# KiCad board video.kicad_pcb (continued)
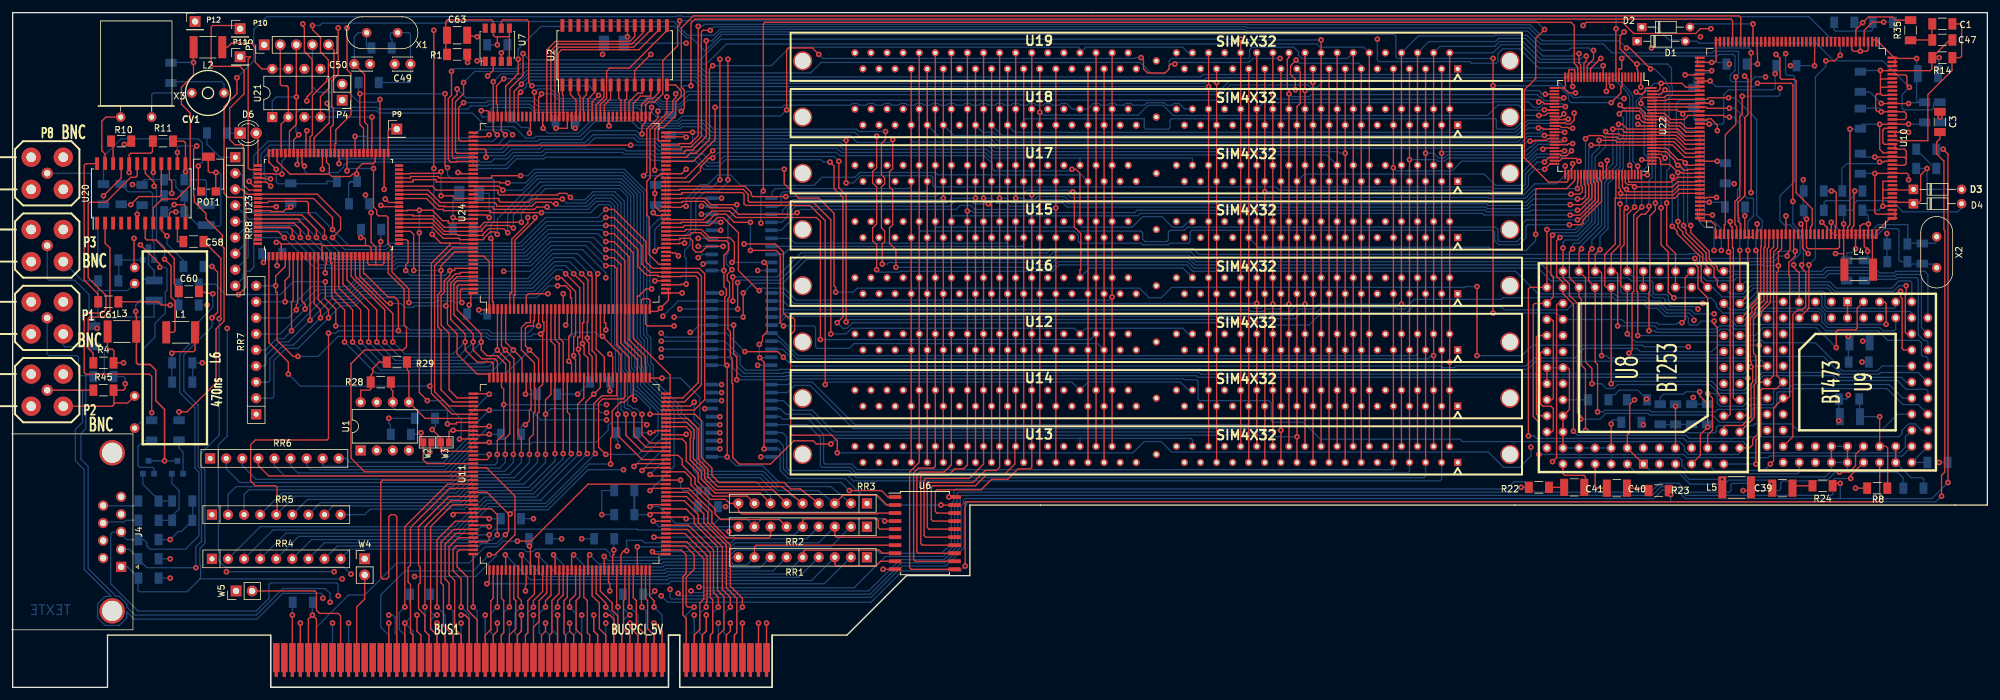
[diagram p0: board, top side]
## Routing (per net, layer and track width the routed paths; a pad name or vN(x,y) marks a point on that pad's centre or on a via; arc(x,y) is an arc through that point) (continued)
/TVG1: length 92.5
  top_copper w0.2: v1(254,76.45) 254,69.98 252.6,68.58 U8.47 253.24,65.79 253.62,65.4 v1(253.62,57.15) ; 266.14,78.74 263.27,78.74 262.38,77.85 254.34,77.85 v1(254.08,78.1) 254.08,78.73 253.85,78.97 253.85,81.03
  bottom_copper w0.2: v1(254,76.45) 254,78.02 v1(254.08,78.1) ; v1(253.62,57.15) 259.46,57.15 259.97,56.64 269.24,56.64 269.75,57.15 271.65,57.15 272.16,56.64 273.81,56.64 274.57,57.4 285.5,57.4 286.51,56.39 294.77,56.39 296.29,54.86 301.24,54.86 301.62,54.48 301.62,52.58 301.88,52.32 302.39,52.32 302.64,52.07 U9.54
/TVG2: length 86.7
  top_copper w0.2: v1(255.14,55.88) U8.46 254.38,63.25 254.13,63.5 254.13,69.47 254.63,69.98 254.63,75.44 v1(255.02,75.82) ; 254.33,81.03 254.33,80.26 254.38,80.26 254.38,79.12 254.76,78.74 v1(255.02,78.74) 255.4,78.36 262.25,78.36 263.27,79.38 266.19,79.38
  bottom_copper w0.2: U9.55 295.4,50.8 294.64,50.04 289.05,50.04 288.42,50.67 288.42,50.93 284.86,54.48 276.73,54.48 276.35,54.86 274.07,54.86 273.81,54.61 256.41,54.61 v1(255.14,55.88) ; v1(255.02,78.74) v1(255.02,75.82)
/TVG3: length 86.7
  top_copper w0.2: U8.45 255.14,74.8 v1(256.29,75.95) ; 266.24,79.93 263.07,79.93 262.27,79.14 v1(256.29,79.14) 255.94,79.48 255.18,79.48 254.84,79.83 254.84,81.03
  bottom_copper w0.2: U8.45 256.16,64.77 267.21,64.77 267.72,64.26 271.91,64.26 272.42,64.77 286.38,64.77 287.02,65.4 293.88,65.4 294.77,64.52 297.56,64.52 297.81,64.77 300.86,64.77 301.12,64.52 301.12,55.75 302.01,54.86 302.39,54.86 302.64,54.61 U9.56 ; v1(256.29,75.95) v1(256.29,79.14)
/TVG4: length 76
  top_copper w0.2: v1(262.25,72.9) 263.02,72.14 263.02,71.75 266.57,68.2 266.57,66.93 266.83,66.67 266.83,64.26 U8.36 ; 266.32,80.64 263.02,80.64 262.51,80.14 262.25,80.14 ; v1(262.25,80.77) 262.25,80.14 ; 262.25,80.14 262,79.88 255.35,79.88 255.35,81.03 ; U9.57 298.83,53.34 298.58,53.59 298.58,61.47 298.32,61.72 v1(298.32,62.61)
  bottom_copper w0.2: v1(298.32,62.61) 297.94,62.61 297.43,62.1 287.78,62.1 286.77,63.12 275.08,63.12 273.69,61.72 270.13,61.72 268.61,63.25 U8.36 ; v1(262.25,72.9) v1(262.25,80.77)
/TVG5: length 71.5
  top_copper w0.2: U8.35 267.84,66.42 267.08,67.18 267.08,68.45 263.91,71.63 263.91,72.01 263.14,72.77 v1(263.14,73.66) ; 266.19,81.28 263.91,81.28 263.78,81.41 v1(263.14,81.41) 261.87,82.68 260.48,82.68 260.37,82.79 260.37,83.55 260.14,83.77 U22.78
  bottom_copper w0.2: v1(263.14,73.66) v1(263.14,81.41) ; U9.58 301.62,56.9 301.62,65.02 301.37,65.28 297.69,65.28 297.43,65.02 294.89,65.02 294,65.91 286.77,65.91 286.13,65.28 272.03,65.28 271.53,64.77 268.1,64.77 267.84,65.02 U8.35
/TVG6: length 70.6
  top_copper w0.2: U8.34 269.62,63.25 269.37,63.5 269.37,64.39 268.86,64.9 268.86,66.29 267.59,67.56 267.59,68.71 264.41,71.88 264.41,72.39 264.03,72.77 v1(264.03,73.02) ; U9.59 299.34,55.88 299.08,56.13 299.08,61.98 299.21,62.1 v1(299.21,63.5) ; 259.08,84.79 260.1,84.79 260.1,84.71 261.24,84.71 262.64,83.31 262.64,83.06 v1(263.14,82.55) 263.4,82.55 264.16,81.79 264.67,81.79 264.67,81.89 266.24,81.89
  bottom_copper w0.2: v1(299.21,63.5) 298.07,63.5 297.18,62.61 287.91,62.61 286.89,63.63 274.83,63.63 273.43,62.23 271.4,62.23 U8.34 ; v1(263.14,82.55) 264.03,81.66 v1(264.03,73.02)
/TVG7: length 68.6
  top_copper w0.2: U8.33 269.62,65.79 269.37,66.04 269.37,66.42 268.1,67.69 268.1,68.96 265.18,71.88 v1(265.18,73.02) ; 259.08,85.27 260.35,85.27 260.35,85.22 261.37,85.22 263.14,83.44 263.78,83.44 v1(264.29,82.93) 264.54,82.68 264.54,82.55 266.24,82.55
  bottom_copper w0.2: U8.33 285.88,65.79 286.51,66.42 294.13,66.42 295.02,65.53 297.31,65.53 297.56,65.79 302.13,65.79 302.64,65.28 U9.60 ; v1(264.29,82.93) 264.29,82.42 264.67,82.04 264.67,73.53 v1(265.18,73.02)
/TVI0: length 249.9
  top_copper w0.2: 83.11,90.63 83.11,93.34 83.31,93.34 83.57,93.6 v1(83.57,93.85) ; v1(274.7,78.23) v1(274.7,100.33)
  GND_layer w0.2: v1(254.63,93.09) 257.81,93.09 258.21,93.5 258.21,95.66 258.06,95.81 258.06,100.2 v1(258.95,101.09)
  VCC_layer w0.2: U9.10 277.24,70.23 274.7,72.77 v1(274.7,78.23)
  bottom_copper w0.2: v1(254.63,93.09) 253.87,93.09 253.62,93.34 247.48,93.34 247.37,93.24 246.6,93.24 246.25,93.58 246.25,93.74 244.11,95.88 207.14,95.88 206.12,94.87 205.11,94.87 204.72,95.25 192.41,95.25 190.88,93.73 106.93,93.73 105.43,92.22 102.44,92.22 101.83,92.84 100.31,92.84 99.93,92.45 91.87,92.45 91.63,92.69 86.45,92.69 85.28,93.85 v1(83.57,93.85) ; v1(258.95,101.09) 274.45,101.09 274.7,100.84 v1(274.7,100.33)
/TVI1: length 227.9
  top_copper w0.2: v1(136.53,66.04) 136.53,69.98 135.89,70.61 135.89,72.64 136.53,73.28 136.53,79.12 135.89,79.76 135.89,81.53 136.53,82.17 v1(136.53,87.12) ; v1(83.82,88.39) 83.82,88.9 83.74,88.9 83.74,90.63
  GND_layer w0.2: U9.11 278.76,59.44 276.23,59.44 275.97,59.18 269.75,59.18 269.62,59.05 v1(268.86,59.05)
  bottom_copper w0.2: v1(136.53,66.04) 136.91,65.66 140.08,65.66 140.21,65.79 164.34,65.79 165.35,66.8 185.55,66.8 186.44,65.79 237.49,65.79 241.05,62.23 253.11,62.23 253.62,61.72 258.06,61.72 258.7,61.09 260.35,61.09 260.6,60.83 260.6,60.58 261.49,59.69 265.18,59.69 265.81,59.05 v1(268.86,59.05) ; v1(136.53,87.12) 133.73,87.12 133.1,87.76 110.49,87.76 109.09,89.15 105.75,89.15 105.36,88.76 99.71,88.76 98.43,90.04 91.82,90.04 89.41,87.63 84.58,87.63 v1(83.82,88.39)
/TVR0: length 134
  top_copper w0.2: v1(243.33,71.5) 243.08,71.25 243.08,65.15 243.46,64.77 243.46,61.72 U8.56 240.54,60.71 240.28,60.45 240.28,42.8 241.17,41.91 v1(241.17,36.83) ; 266.24,83.85 266.19,83.82 264.21,83.82 262.25,85.78 259.08,85.78 259.08,85.72 v1(249.43,85.72)
  bottom_copper w0.2: U9.45 298.58,36.58 277.62,36.58 277.37,36.32 264.54,36.32 264.03,36.83 v1(241.17,36.83) ; v1(249.43,85.72) 249.43,85.47 249.05,85.09 249.05,73.91 247.01,71.88 243.71,71.88 v1(243.33,71.5)
/TVR1: length 126
  top_copper w0.2: 266.24,84.51 265.94,84.45 264.34,84.45 262.51,86.28 259.08,86.28 259.08,86.23 253.49,86.23 253.24,86.49 v1(250.7,86.49) ; v1(244.48,71.12) 243.97,70.61 243.97,65.02 244.98,64.01 U8.55 244.98,62.23 246.63,60.58 v1(246.63,40.51)
  bottom_copper w0.2: v1(246.63,40.51) 247.27,39.88 264.41,39.88 264.92,39.37 274.32,39.37 274.57,39.62 298.07,39.62 298.58,40.13 298.58,40.64 299.59,41.66 300.61,41.66 301.62,40.64 U9.46 ; v1(244.48,71.12) 244.73,71.37 247.27,71.37 249.56,73.66 249.56,84.2 250.7,85.34 v1(250.7,86.49)
/TVR2: length 138.4
  top_copper w0.2: v1(242.44,72.39) U8.54 239.78,63.25 239.52,62.99 v1(239.52,39.75) ; v1(248.54,86.74) 249.05,87.25 251.21,87.25 251.46,86.99 253.49,86.99 253.75,86.74 259.08,86.74 259.08,86.77 262.76,86.77 264.41,85.12 266.19,85.12 266.24,85.14
  bottom_copper w0.2: v1(242.44,72.39) 246.89,72.39 248.54,74.04 v1(248.54,86.74) ; v1(239.52,39.75) 240.41,39.75 240.79,39.37 264.03,39.37 264.54,38.86 273.43,38.86 274.07,38.23 274.07,37.34 274.32,37.08 298.2,37.08 299.08,37.97 299.08,39.62 U9.47
/TVR3: length 127.9
  top_copper w0.2: 266.24,85.8 266.06,85.88 264.29,85.88 262.89,87.27 259.08,87.27 259.08,87.25 254.13,87.25 253.87,87.5 252.1,87.5 v1(251.71,87.88) ; v1(244.98,69.47) U8.53 244.98,64.77 246,63.75 246,61.98 247.27,60.71 247.27,43.43 247.78,42.93 v1(247.78,42.42)
  bottom_copper w0.2: U9.48 301.12,44.7 298.7,44.7 296.16,47.24 281.56,47.24 281.05,46.74 279.02,46.74 278.76,46.48 278.76,44.45 278.51,44.2 275.08,44.2 274.83,43.94 274.83,42.16 274.57,41.91 269.75,41.91 268.61,43.05 258.7,43.05 258.44,43.31 251.71,43.31 250.82,42.42 v1(247.78,42.42) ; v1(244.98,69.47) 244.98,70.36 245.36,70.74 247.27,70.74 250.06,73.53 250.06,83.82 251.71,85.47 v1(251.71,87.88)
/TVR4: length 120.4
  top_copper w0.2: 266.24,86.44 266.06,86.51 264.29,86.51 263.02,87.78 259.08,87.78 259.08,87.76 254.76,87.76 254.25,88.26 v1(252.86,88.26) ; v1(248.54,40.64) 248.54,50.29 247.9,50.93 247.9,61.34 247.52,61.72 U8.52 246,64.77 246,68.83 v1(246.51,69.34)
  bottom_copper w0.2: v1(246.51,69.34) 246.51,69.98 246.76,70.23 247.52,70.23 250.57,73.28 250.57,80.52 252.86,82.8 v1(252.86,88.26) ; U9.49 297.81,43.18 295.15,40.51 282.19,40.51 281.05,41.66 275.34,41.66 275.08,41.4 269.49,41.4 269.24,41.15 269.24,40.51 268.99,40.26 264.8,40.26 264.67,40.39 249.43,40.39 249.17,40.64 v1(248.54,40.64)
/TVR5: length 115.3
  top_copper w0.2: v1(253.75,89.03) 254.38,89.03 255.14,88.26 259.08,88.26 259.08,88.29 263.14,88.29 264.29,87.15 266.19,87.15 266.24,87.1 ; v1(247.9,69.34) 247.52,68.96 U8.51 248.54,64.77 248.54,51.43 249.56,50.42 v1(249.56,48.01)
  bottom_copper w0.2: U9.50 302.64,46.86 302.39,47.12 299.21,47.12 297.81,48.51 288.42,48.51 287.66,49.28 276.61,49.28 273.81,46.48 269.62,46.48 268.22,47.88 253.62,47.88 252.98,47.24 251.84,47.24 251.08,48.01 v1(249.56,48.01) ; v1(247.9,69.34) 247.9,69.85 251.08,73.02 251.08,80.14 253.49,82.55 253.49,86.74 253.75,86.99 v1(253.75,89.03)
/TVR6: length 118.2
  top_copper w0.2: v1(250.44,43.56) 250.44,51.05 250.06,51.43 U8.50 249.05,64.26 249.05,68.83 v1(249.56,69.34) ; v1(253.87,90.68) 254.32,91.12 256.98,91.12 257.58,90.52 257.58,90.22 257.88,89.92 257.99,89.92 258.14,89.77 U22.90 260.72,89.77 260.73,89.79 261.75,88.77 263.4,88.77 264.41,87.76 266.24,87.76
  bottom_copper w0.2: v1(253.87,90.68) 254.51,90.04 254.51,86.99 254,86.49 254,82.3 251.59,79.88 251.59,72.77 249.56,70.74 v1(249.56,69.34) ; U9.51 298.7,45.72 296.55,47.88 281.31,47.88 280.67,47.24 278.51,47.24 278.26,46.99 278.26,44.83 278.13,44.7 274.57,44.7 273.81,43.94 269.37,43.94 268.99,43.56 258.95,43.56 258.7,43.81 251.59,43.81 251.33,43.56 v1(250.44,43.56)
/TVR7: length 110.7
  top_copper w0.2: 266.24,88.39 264.52,88.39 263.65,89.26 261.87,89.26 260.86,90.27 258.34,90.27 258.29,90.32 258.04,90.32 257.98,90.38 257.98,90.8 257.2,91.58 254.49,91.58 v1(254,92.07) ; v1(251.08,52.45) 251.08,65.53 250.82,65.79 U8.49 250.06,68.45 v1(250.82,69.21)
  bottom_copper w0.2: U9.52 301.12,49.78 295.15,49.78 294.89,49.53 288.93,49.53 286.13,52.32 274.07,52.32 273.81,52.07 252.22,52.07 251.84,52.45 v1(251.08,52.45) ; v1(250.82,69.21) 250.82,71.25 252.1,72.52 252.1,79.63 254.51,82.04 254.51,86.23 255.02,86.74 255.02,91.06 v1(254,92.07)
/TVRAM0: length 199.5
  top_copper w0.2: U13.2 U14.2 U12.2 U16.2 U15.2 U18.2 U19.2 ; 249.33,96.52 249.33,97.82 v1(250.95,99.44)
  bottom_copper w0.2: v1(250.95,99.44) 250.32,98.81 241.17,98.81 238.38,101.6 235.2,101.6 233.93,100.33 U19.2 ; v1(227.08,51.43) 123.7,51.43 121.67,53.47 120.02,53.47
/TVRAM1: length 197.9
  top_copper w0.2: 248.34,96.52 248.29,96.52 248.29,98.68 248.67,99.06 v1(248.67,99.82) ; U13.4 U14.4 v1(224.54,52.45) U12.4 U16.4 U15.4 U18.4 U19.4
  bottom_copper w0.2: v1(224.54,52.45) 224.16,52.45 223.65,51.94 123.95,51.94 121.16,54.74 120.02,54.74 ; v1(248.67,99.82) 248.54,99.69 248.16,99.69 247.78,99.31 241.43,99.31 238.63,102.11 234.95,102.11 234.19,101.35 225.55,101.35 U19.4
/TVRAM2: length 200.6
  top_copper w0.2: v1(247.52,100.2) 247.52,98.68 247.78,98.42 247.78,97.41 247.83,97.41 247.83,96.52 ; U19.6 U18.6 U15.6 U16.6 U12.6 U14.6 U13.6
  bottom_copper w0.2: 120.02,56.01 120.52,56.01 124.08,52.45 221.74,52.45 222,52.7 U12.6 ; U19.6 223.77,102.11 234.31,102.11 234.82,102.62 239.01,102.62 241.81,99.82 246.38,99.82 246.76,100.2 v1(247.52,100.2)
/TVRAM3: length 200.8
  top_copper w0.2: U19.8 U18.8 U15.8 U16.8 v1(219.46,60.58) U12.8 U14.8 U13.8 ; 248.82,96.52 248.82,98.3 249.05,98.53 249.05,98.55 249.81,99.31 v1(249.81,100.71)
  bottom_copper w0.2: 120.02,57.28 120.78,57.28 122.17,58.67 195.07,58.67 195.45,58.29 198.25,58.29 198.75,58.8 202.31,58.8 203.33,59.82 205.61,59.82 206.38,60.58 v1(219.46,60.58) ; U19.8 222.12,103 234.06,103 234.19,103.12 239.27,103.12 241.68,100.71 245.87,100.71 246.25,101.09 249.05,101.09 249.43,100.71 v1(249.81,100.71)
/TVRAM4: length 187.3
  top_copper w0.2: U13.20 U14.20 U12.20 v1(204.22,60.58) U16.20 U15.20 U18.20 v1(204.22,94.36) U19.20 ; 243.59,93.78 v1(242.19,93.78)
  bottom_copper w0.2: 120.02,58.55 121.41,58.55 122.05,59.18 195.2,59.18 195.58,58.8 197.99,58.8 198.5,59.31 201.68,59.31 202.95,60.58 v1(204.22,60.58) ; v1(242.19,93.78) 241.55,93.78 241.55,93.98 241.17,94.36 v1(204.22,94.36)
/TVRAM5: length 190.6
  top_copper w0.2: U19.22 201.68,99.57 201.42,99.31 201.42,94.74 201.68,94.49 v1(201.68,93.85) U18.22 U15.22 U16.22 U12.22 U14.22 U13.22 ; 243.59,93.27 244.43,93.27 244.48,93.22 v1(245.11,93.22)
  bottom_copper w0.2: 120.02,59.82 121.92,59.82 122.05,59.69 195.45,59.69 195.71,59.44 197.61,59.44 197.99,59.82 200.15,59.82 200.91,60.58 v1(201.68,60.58) ; v1(245.11,93.22) 244.67,92.77 242.03,92.77 241.51,93.3 241.35,93.3 240.92,93.73 205.23,93.73 204.91,93.41 202.12,93.41 v1(201.68,93.85)
/TVRAM6: length 187.1
  top_copper w0.2: v1(241.15,92.56) 241.78,92.56 242.06,92.28 243.59,92.28 ; U19.24 v1(199.14,93.73) U18.24 U15.24 U16.24 v1(199.14,60.58) U12.24 U14.24 U13.24
  bottom_copper w0.2: v1(199.14,93.73) 199.86,93 240.71,93 v1(241.15,92.56) ; 120.02,61.09 121.79,61.09 122.68,60.2 195.96,60.2 196.22,59.94 197.23,59.94 197.87,60.58 v1(199.14,60.58)
/TVRAM7: length 191.3
  top_copper w0.2: U19.26 U18.26 U15.26 U16.26 v1(196.6,60.71) U12.26 U14.26 U13.26 ; v1(245.36,91.82) 243.64,91.82 243.59,91.77
  bottom_copper w0.2: 120.02,62.36 121.79,62.36 123.44,60.71 v1(196.6,60.71) ; U18.26 197.61,92.46 233.81,92.46 233.93,92.58 239.52,92.58 240.41,91.69 241.34,91.69 241.91,92.27 244.92,92.27 v1(245.36,91.82)
/TVRAM8: length 190.4
  top_copper w0.2: U19.49 v1(162.31,90.93) U18.49 U17.49 U15.49 U16.49 U14.49 162.31,35.56 ; v1(242.05,91.33) 242.67,91.33 242.74,91.26 243.59,91.26
  bottom_copper w0.2: v1(242.05,91.33) 241.98,91.26 238.76,91.26 237.95,92.07 234.7,92.07 233.05,90.42 183.39,90.42 181.78,92.03 179.41,92.03 177.86,90.49 162.75,90.49 v1(162.31,90.93) ; U15.49 162.31,69.47 162.05,69.21 122.56,69.21 121.79,68.45 120.02,68.45
/TVRAM9: length 193.7
  top_copper w0.2: U19.51 U18.51 U17.51 U15.51 U16.51 U14.51 159.77,35.56 ; 243.59,90.78 242.54,90.78 242.19,90.42 v1(241.17,90.42)
  bottom_copper w0.2: 120.02,69.72 159.51,69.72 159.77,69.98 U15.51 ; v1(241.17,90.42) 238.76,90.42 238.51,90.17 238.51,89.41 237.36,88.26 234.7,88.26 234.44,88.52 234.44,89.79 234.31,89.92 183.13,89.92 182.88,89.66 182.88,88.52 182.63,88.26 179.07,88.26 178.82,88.52 178.82,89.92 160.02,89.92 159.77,89.66 U18.51
/TVRAM10: length 191.7
  top_copper w0.2: 243.62,90.23 244.67,90.23 v1(245.11,90.68) ; U19.53 U18.53 U17.53 U15.53 U16.53 U14.53 157.23,35.56
  bottom_copper w0.2: U15.53 157.23,70.48 156.97,70.23 123.57,70.23 122.81,70.99 120.02,70.99 ; v1(245.11,90.68) 244.09,89.66 239.39,89.66 237.49,87.76 158.37,87.76 U18.53
/TVRAM11: length 195.1
  top_copper w0.2: U19.55 U18.55 U17.55 154.69,76.07 ; v1(154.18,76.45) 154.69,76.07 ; 154.69,76.07 U15.55 U16.55 U14.55 154.69,35.56 ; 243.59,89.76 245.1,89.76 245.18,89.84 v1(245.81,89.84)
  bottom_copper w0.2: 120.02,72.26 121.41,72.26 123.19,74.04 123.19,75.56 123.7,76.07 148.08,76.07 148.84,76.83 151.51,76.83 151.89,76.45 v1(154.18,76.45) ; v1(245.81,89.84) 245.12,89.15 241.5,89.15 241.46,89.19 239.56,89.19 237.62,87.25 156.34,87.25 U18.55
/TVRAM12: length 189.7
  top_copper w0.2: 152.15,35.56 U14.57 U16.57 U15.57 v1(152.15,77.34) U17.57 U18.57 U19.57 ; v1(241.1,88.45) 241.73,88.45 241.91,88.26 243.59,88.26
  bottom_copper w0.2: U18.57 153.29,87.76 154.94,87.76 155.96,86.74 237.74,86.74 239.45,88.45 v1(241.1,88.45) ; 120.02,73.53 121.54,73.53 122.43,74.42 122.43,75.56 123.44,76.58 147.57,76.58 148.34,77.34 v1(152.15,77.34)
/TVRAM13: length 192.5
  top_copper w0.2: 147.07,35.56 U14.61 U16.61 U15.61 v1(147.07,77.34) U17.61 U18.61 U19.61 ; 243.59,87.76 v1(245.24,87.76)
  bottom_copper w0.2: v1(245.24,87.76) 244.79,88.2 241.91,88.2 241.34,87.63 239.27,87.63 237.87,86.23 155.83,86.23 154.81,87.25 148.72,87.25 U18.61 ; 120.02,74.8 121.41,74.8 121.67,75.06 121.67,75.44 123.32,77.09 146.3,77.09 146.56,77.34 v1(147.07,77.34)
/TVRAM14: length 191.1
  top_copper w0.2: v1(242.04,87.27) 243.58,87.27 243.59,87.27 ; U19.63 U18.63 U17.63 U15.63 U16.63 U14.63 144.53,35.56
  bottom_copper w0.2: U18.63 146.69,86.74 154.56,86.74 155.58,85.72 238,85.72 239.39,87.12 241.9,87.12 v1(242.04,87.27) ; 120.02,76.07 121.16,76.07 121.41,76.33 121.41,77.98 121.79,78.36 144.15,78.36 144.53,78.74 U17.63
/TVRAM15: length 191.6
  top_copper w0.2: 141.99,35.56 U14.65 U16.65 U15.65 U17.65 U18.65 U19.65 ; v1(239.78,86.36) 240.54,86.36 240.54,86.49 242.32,86.49 242.6,86.77 243.59,86.77
  bottom_copper w0.2: U18.65 141.99,86.49 142.24,86.23 154.31,86.23 155.32,85.22 238.25,85.22 239.39,86.36 v1(239.78,86.36) ; U17.65 141.99,79.25 141.61,78.87 120.52,78.87 120.02,78.36 120.02,77.34
/TVRAM16: length 197.7
  top_copper w0.2: v1(245.24,86.61) 244.88,86.26 243.59,86.26 ; 225.81,35.56 U14.3 U16.3 U15.3 U17.3 v1(225.81,84.45) U18.3 U19.3
  bottom_copper w0.2: 225.81,35.56 225.81,32.89 225.55,32.64 132.84,32.64 131.83,33.66 122.68,33.66 121.79,34.54 121.79,38.23 121.03,38.99 120.02,38.99 ; v1(225.81,84.45) 226.06,84.71 239.01,84.71 239.78,85.47 240.03,85.47 240.92,86.36 244.35,86.36 244.61,86.61 v1(245.24,86.61)
/TVRAM17: length 201.1
  top_copper w0.2: 243.59,85.78 245.68,85.78 245.88,85.98 v1(246.51,85.98) ; 223.27,35.56 U14.5 U16.5 U15.5 U17.5 v1(223.27,84.45) U18.5 U19.5
  bottom_copper w0.2: 120.02,40.26 121.67,40.26 122.3,39.62 122.3,34.67 122.68,34.29 132.21,34.29 133.35,33.15 223.01,33.15 223.27,33.4 223.27,35.56 ; v1(223.27,84.45) 224.54,84.45 225.3,83.69 226.19,83.69 226.69,84.2 239.39,84.2 241.05,85.85 245.75,85.85 245.88,85.98 v1(246.51,85.98)
/TVRAM18: length 194.1
  top_copper w0.2: U19.7 U18.7 v1(220.73,83.44) U17.7 U15.7 U16.7 U14.7 220.73,35.56 ; v1(241.81,85.09) 241.81,85.27 243.59,85.27
  bottom_copper w0.2: v1(241.81,85.09) 240.92,85.09 239.52,83.69 226.82,83.69 226.31,83.18 225.17,83.18 224.92,83.44 v1(220.73,83.44) ; 120.02,41.53 125.6,41.53 127.64,39.5 127.64,35.05 127.89,34.8 132.33,34.8 133.22,33.91 220.47,33.91 220.73,34.16 220.73,35.56
/TVRAM19: length 197.7
  top_copper w0.2: U19.9 U18.9 v1(218.19,82.17) U17.9 U15.9 U16.9 U14.9 218.19,35.56 ; 243.59,84.76 244.53,84.76 244.61,84.84 v1(245.24,84.84)
  bottom_copper w0.2: v1(245.24,84.84) 244.73,84.33 240.79,84.33 239.65,83.18 228.98,83.18 227.46,81.66 218.69,81.66 v1(218.19,82.17) ; 120.02,42.8 121.28,42.8 121.67,42.42 125.73,42.42 128.14,40 128.14,35.56 128.4,35.31 132.59,35.31 133.48,34.42 217.93,34.42 218.19,34.67 218.19,35.56
/TVRAM20: length 198.5
  top_copper w0.2: U19.21 203.45,97.28 203.45,92.33 202.95,91.82 U18.21 U17.21 U15.21 U16.21 U14.21 v1(202.95,39.62) 202.95,35.56 ; v1(246.33,84.84) 245.56,84.07 244.68,84.07 244.48,84.28 243.59,84.28
  bottom_copper w0.2: 120.02,44.07 121.28,44.07 122.17,43.18 126.11,43.18 129.41,39.88 199.39,39.88 199.64,39.62 v1(202.95,39.62) ; v1(246.33,84.84) 245.31,83.82 240.92,83.82 238.51,81.41 238.51,79.63 238.25,79.38 234.31,79.38 232.54,81.15 204.09,81.15 U17.21
/TVRAM21: length 192
  top_copper w0.2: 243.59,83.77 242.7,83.77 242.7,83.69 v1(242.06,83.06) ; U19.23 U18.23 U17.23 U15.23 U16.23 U14.23 v1(200.41,40.64) 200.41,35.56
  bottom_copper w0.2: v1(242.06,83.06) 240.92,83.06 239.01,81.15 239.01,79.5 238.38,78.87 234.06,78.87 233.81,79.12 200.41,79.12 U17.23 ; v1(200.41,40.64) 199.64,40.64 199.39,40.39 129.79,40.39 126.37,43.81 123.32,43.81 121.79,45.34 120.02,45.34
/TVRAM22: length 199.9
  top_copper w0.2: U19.25 U18.25 U17.25 v1(197.87,78.36) U15.25 U16.25 U14.25 197.87,35.56 ; 246.33,81.03 246.33,82 246.51,82.18 v1(246.51,82.8)
  bottom_copper w0.2: v1(197.87,78.36) 199.52,78.36 199.77,78.1 233.3,78.1 233.55,77.85 238.76,77.85 240.54,79.63 243.96,79.63 246.51,82.18 v1(246.51,82.8) ; U14.25 197.87,41.15 197.61,40.89 132.84,40.89 125.98,47.75 123.57,47.75 122.43,46.61 120.02,46.61
/TVRAM23: length 205.8
  top_copper w0.2: 195.33,35.56 U14.27 U16.27 U15.27 U17.27 U18.27 U19.27 ; 246.84,81.03 246.84,80.14 245.57,78.87 240.92,78.87 240.67,78.61 v1(240.67,71.63)
  bottom_copper w0.2: U15.27 196.85,69.6 233.3,69.6 233.81,69.09 239.14,69.09 240.67,70.61 v1(240.67,71.63) ; 120.02,47.88 122.56,47.88 122.94,48.26 126.37,48.26 133.1,41.53 195.07,41.53 195.33,41.78 U14.27
/TVRAM24: length 178.3
  top_copper w0.2: U19.50 U18.50 v1(161.04,77.85) U15.50 U16.50 U12.50 U14.50 U13.50 161.04,34.8 160.78,34.54 158.88,34.54 157.23,32.89 154.69,32.89 153.03,31.24 146.05,31.24 145.8,30.99 145.8,27.81 146.05,27.56 148.97,27.56 ; v1(247.27,78.87) 247.27,79.81 247.35,79.88 247.35,81.03
  bottom_copper w0.2: v1(247.27,78.87) 240.54,78.87 239.01,77.34 233.3,77.34 233.17,77.47 167.13,77.47 166.5,78.1 161.29,78.1 v1(161.04,77.85)
/TVRAM25: length 182.7
  top_copper w0.2: U19.52 U18.52 v1(158.5,77.34) U15.52 U16.52 U12.52 U14.52 U13.52 158.37,38.23 158.37,35.31 156.72,33.66 153.92,33.66 152.15,31.88 145.41,31.88 145.16,31.62 145.16,26.54 145.41,26.29 148.97,26.29 ; v1(246.25,77.98) 247.65,77.98 248.03,78.36 248.03,79.17 247.83,79.38 247.83,81.03
  bottom_copper w0.2: v1(158.5,77.34) 159.77,77.34 160.02,77.09 161.42,77.09 161.93,77.6 166.24,77.6 166.88,76.96 233.05,76.96 233.3,76.71 239.14,76.71 240.41,77.98 v1(246.25,77.98)
/TVRAM26: length 187
  top_copper w0.2: 248.34,81.03 248.34,79.5 248.54,79.3 248.54,77.72 248.03,77.22 v1(247.27,77.22) ; U19.54 U18.54 v1(155.96,77.34) U15.54 U16.54 U12.54 U14.54 U13.54 155.96,34.8 155.45,34.29 153.67,34.29 151.77,32.38 144.78,32.38 144.53,32.13 144.53,25.27 144.78,25.02 148.97,25.02
  bottom_copper w0.2: v1(155.96,77.34) 157.1,77.34 157.86,76.58 161.67,76.58 162.18,77.09 166.12,77.09 166.75,76.45 232.92,76.45 233.17,76.2 239.27,76.2 240.28,77.22 v1(247.27,77.22)
/TVRAM27: length 190.4
  top_copper w0.2: U19.56 U18.56 v1(153.42,77.34) U15.56 U16.56 U12.56 U14.56 U13.56 153.42,35.31 151.13,33.02 144.27,33.02 144.02,32.77 144.02,24 144.27,23.75 148.97,23.75 ; v1(246.13,76.33) 247.9,76.33 249.05,77.47 249.05,79.43 248.84,79.63 248.84,81.03